# Allegro board pc065a_toplevel_45_8layers.brd (continued)
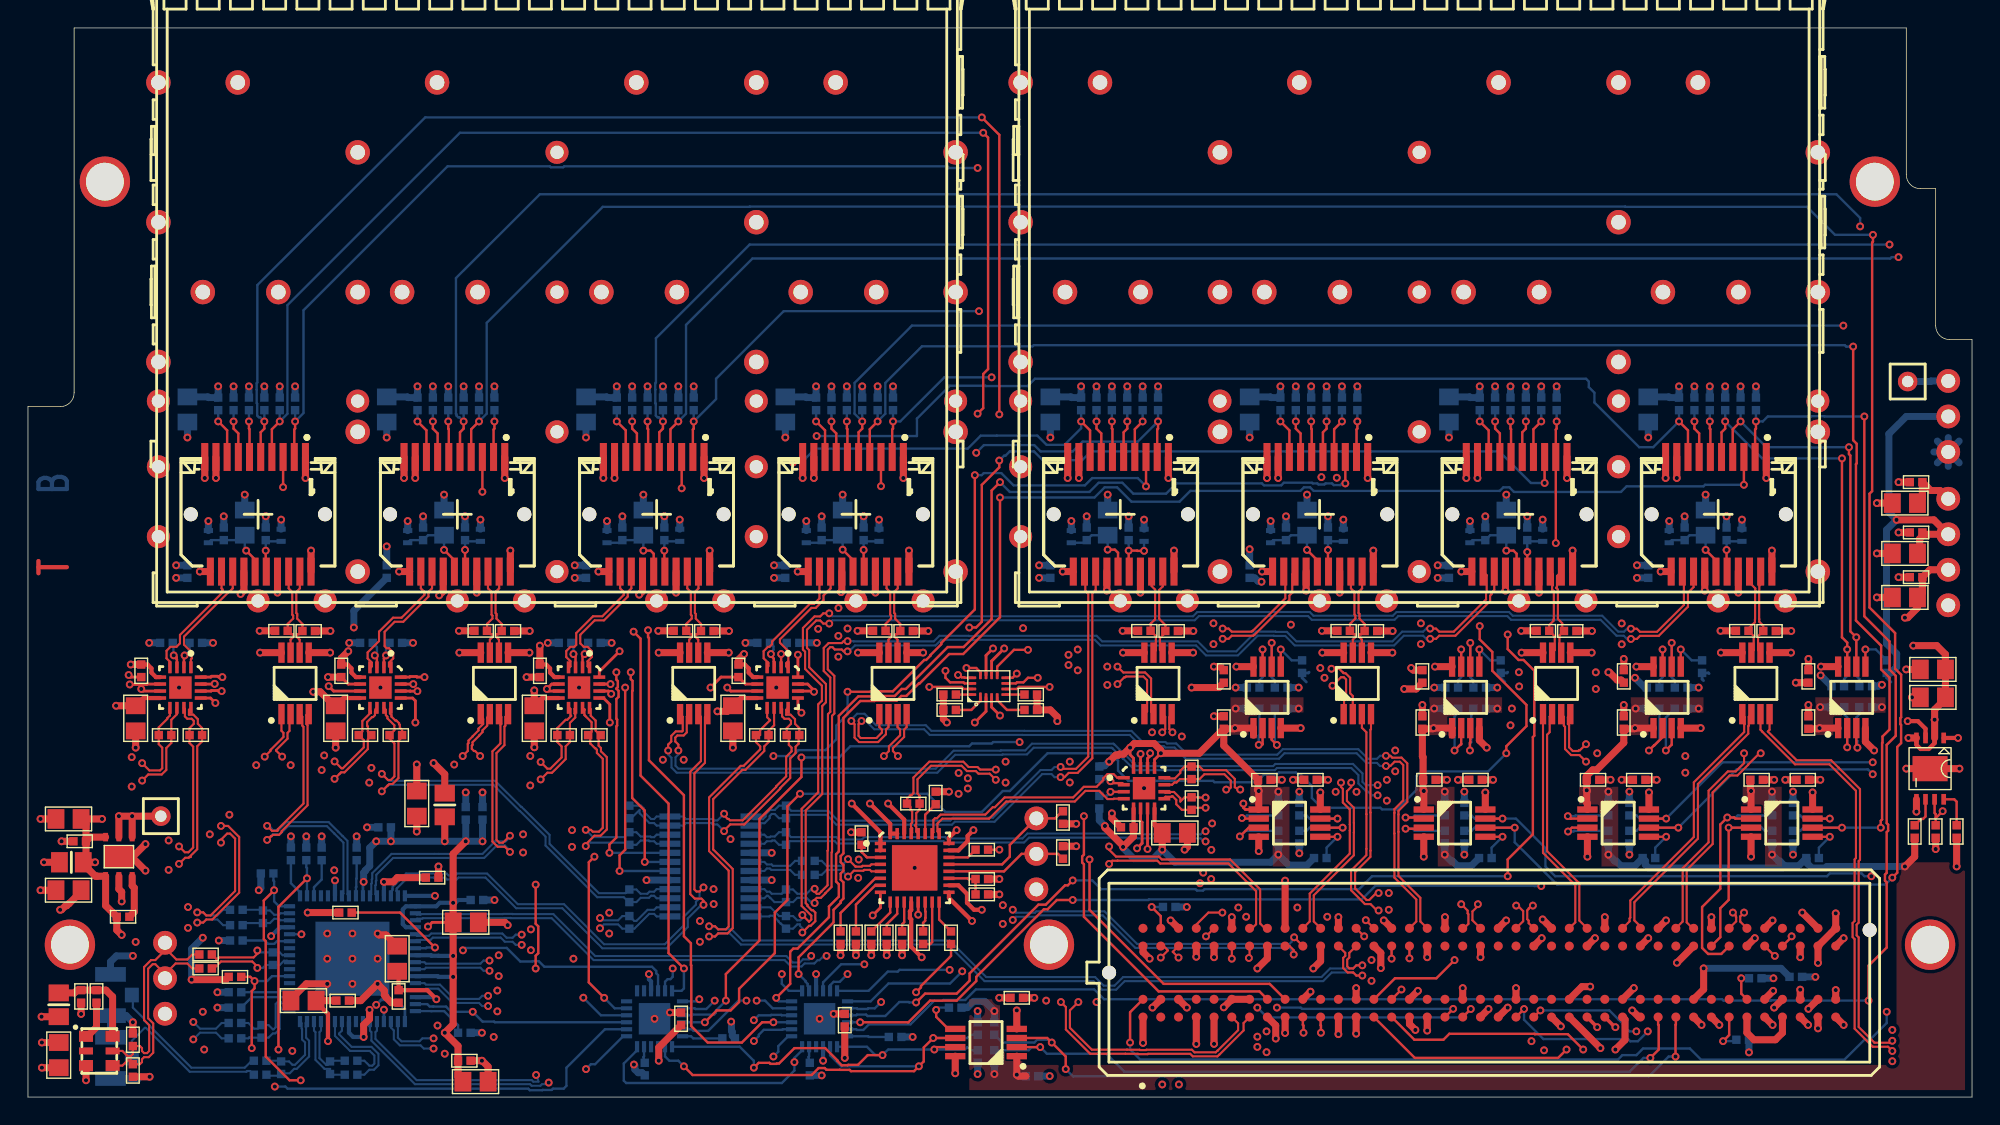
[diagram p0: board, top side]
## Nets (continued)
FMC_LA_P<22>: J10.G24
FMC_LA_P<23>: J10.D23
FMC_LA_P<24>: J10.H28 U7.1
FMC_LA_P<25>: J10.G27
FMC_LA_P<26>: J10.D26
FMC_LA_P<27>: IC21.6 J10.C26
FMC_LA_P<28>: IC5.10 J10.H31 R65.2(B<0>)
FMC_LA_P<29>: J10.G30
FMC_LA_P<30>: IC6.10 J10.H34 R69.2(B<0>)
FMC_LA_P<31>: IC16.3 J10.G33 R151.1
FMC_LA_P<32>: J10.H37
FMC_LA_P<33>: IC20.3 J10.G36 R171.1
GBTCLK0_M2C_N: J10.D5
GBTCLK0_M2C_P: J10.D4
I2C_SCL: IC3.16 IC9.20 IC10.19 IC11.7 IC23.19 J1.2 R7.2(B<0>) R94.1 R135.1
I2C_SCL_CVCC: IC11.2 J10.C30 R132.1
I2C_SDA: IC3.18 IC9.21 IC10.20(SDA) IC11.6 IC23.20(SDA) J1.3(A<2>) R8.2(B<0>) R93.1 R134.1
I2C_SDA_CVCC: IC11.3 J10.C31 R131.1
MOD_ABS: J7.6 R26.1
MOD_ABS_1: J12.6 R38.1
MOD_ABS_2: J16.6 R46.1
MOD_ABS_3: J20.6 R54.1
MOD_ABS_4: J24.6 R103.1
MOD_ABS_5: J28.6 R111.1
MOD_ABS_6: J32.6 R119.1
MOD_ABS_7: J36.6 R127.1
MUX_OUT_N: C55.1 IC8.19
MUX_OUT_P: C56.1 IC8.18
MUX_SEL<0>: IC8.6 IC21.15(1B<0>)
MUX_SEL<1>: IC8.7 IC21.14
MUX_SEL<2>: IC8.8 IC21.13
OSC_N: C30.2(B<0>) J5.3(A<2>) QZ1.5 R4.2(B<0>)
OSC_P: C29.2(B<0>) J5.2 QZ1.4(OUTP) R5.2(B<0>)
POWER_GOOD: J10.D1 R182.2(B<0>) U11.7
PRSNT_L: J10.H2 R30.2(B<0>)
RD_BUF_N<0>: IC4.4 J7.12
RD_BUF_N<1>: IC5.4 J12.12
RD_BUF_N<2>: IC6.4 J16.12
RD_BUF_N<3>: IC7.4 J20.12
RD_BUF_P<0>: IC4.1 J7.13
RD_BUF_P<1>: IC5.1 J12.13
RD_BUF_P<2>: IC6.1 J16.13
RD_BUF_P<3>: IC7.1 J20.13
RD_MUX_N<0>: IC4.11 IC8.2 R60.1 R74.2(B<0>)
RD_MUX_N<1>: IC5.11 IC8.4 R64.1 R75.2(B<0>)
RD_MUX_N<2>: IC6.11 IC8.10 R68.1 R76.2(B<0>)
RD_MUX_N<3>: IC7.11 IC8.12 R72.1 R77.2(B<0>)
RD_MUX_N<4>: IC8.13 J36.12 R78.2(B<0>)
RD_MUX_N<5>: IC8.15 J32.12 R79.2(B<0>)
RD_MUX_N<6>: IC8.21 J28.12 R80.2(B<0>)
RD_MUX_N<7>: IC8.23 J24.12 R81.2(B<0>)
RD_MUX_P<0>: IC4.12 IC8.1(PCLK<0>) R60.2(B<0>) R74.1
RD_MUX_P<1>: IC5.12 IC8.3 R64.2(B<0>) R75.1
RD_MUX_P<2>: IC6.12 IC8.9 R68.2(B<0>) R76.1
RD_MUX_P<3>: IC7.12 IC8.11 R72.2(B<0>) R77.1
RD_MUX_P<4>: IC8.14 J36.13 R78.1
RD_MUX_P<5>: IC8.16 J32.13 R79.1
RD_MUX_P<6>: IC8.22 J28.13 R80.1
RD_MUX_P<7>: IC8.24 J24.13 R81.1
REC_CLK_FPGA_N: IC13.11 J10.H5 R97.1
REC_CLK_FPGA_P: IC13.12 J10.H4 R97.2(B<0>)
RST_I2C_B: IC10.24 IC21.12 IC23.24
RST_I2C_B_CVCC: IC21.9 J10.D9
SFP_FAULT<0>: IC10.10 J7.2 R24.2(B<0>)
SFP_FAULT<1>: IC10.11 J12.2 R36.2(B<0>)
SFP_FAULT<2>: IC10.12 J16.2 R44.2(B<0>)
SFP_FAULT<3>: IC10.13 J20.2 R52.2(B<0>)
SFP_FAULT<4>: IC10.14 J36.2 R125.2(B<0>)
SFP_FAULT<5>: IC10.15 J32.2 R117.2(B<0>)
SFP_FAULT<6>: IC10.16 J28.2 R109.2(B<0>)
SFP_FAULT<7>: IC10.17 J24.2 R101.2(B<0>)
SFP_I2C_SCL<0>: IC12.7 J7.5 R27.1 R140.1
SFP_I2C_SCL<1>: IC14.7 J12.5 R39.1 R145.1
SFP_I2C_SCL<2>: IC15.7 J16.5 R47.1 R150.1
SFP_I2C_SCL<3>: IC16.7 J20.5 R55.1 R155.1
SFP_I2C_SCL<4>: IC17.7 J36.5 R128.1 R160.1
SFP_I2C_SCL<5>: IC18.7 J32.5 R120.1 R165.1
SFP_I2C_SCL<6>: IC19.7 J28.5 R112.1 R170.1
SFP_I2C_SCL<7>: IC20.7 J24.5 R104.1 R175.1
SFP_I2C_SDA<0>: IC12.6 J7.4 R28.1 R139.1
SFP_I2C_SDA<1>: IC14.6 J12.4 R40.1 R144.1
SFP_I2C_SDA<2>: IC15.6 J16.4 R48.1 R149.1
SFP_I2C_SDA<3>: IC16.6 J20.4 R56.1 R154.1
SFP_I2C_SDA<4>: IC17.6 J36.4 R129.1 R159.1
SFP_I2C_SDA<5>: IC18.6 J32.4 R121.1 R164.1
SFP_I2C_SDA<6>: IC19.6 J28.4 R113.1 R169.1
SFP_I2C_SDA<7>: IC20.6 J24.4 R105.1 R174.1
SFP_LOS<0>: IC23.10 J7.8 R25.2(B<0>)
SFP_LOS<1>: IC23.11 J12.8 R37.2(B<0>)
SFP_LOS<2>: IC23.12 J16.8 R45.2(B<0>)
SFP_LOS<3>: IC23.13 J20.8 R53.2(B<0>)
SFP_LOS<4>: IC23.14 J36.8 R126.2(B<0>)
SFP_LOS<5>: IC23.15 J32.8 R118.2(B<0>)
SFP_LOS<6>: IC23.16 J28.8 R110.2(B<0>)
SFP_LOS<7>: IC23.17 J24.8 R102.2(B<0>)
SFP_TD_N: J7.19 R23.1 U3.6
SFP_TD_N_1: J12.19 R35.1 U4.6
SFP_TD_N_2: J16.19 R43.1 U5.6
SFP_TD_N_3: J20.19 R51.1 U6.6
SFP_TD_N_4: J24.19 R100.1 U7.6
SFP_TD_N_5: J28.19 R108.1 U8.6
SFP_TD_N_6: J32.19 R116.1 U9.6
SFP_TD_N_7: J36.19 R124.1 U10.6
SFP_TD_P: J7.18 R22.1 U3.7(Q_P)
SFP_TD_P_1: J12.18 R34.1 U4.7(Q_P)
SFP_TD_P_2: J16.18 R42.1 U5.7(Q_P)
SFP_TD_P_3: J20.18 R50.1 U6.7(Q_P)
SFP_TD_P_4: J24.18 R99.1 U7.7(Q_P)
SFP_TD_P_5: J28.18 R107.1 U8.7(Q_P)
SFP_TD_P_6: J32.18 R115.1 U9.7(Q_P)
SFP_TD_P_7: J36.18 R123.1 U10.7(Q_P)
SFP_TX_DISABLE<0>: IC10.1 J7.3
SFP_TX_DISABLE<1>: IC10.2 J12.3
SFP_TX_DISABLE<2>: IC10.3 J16.3
SFP_TX_DISABLE<3>: IC10.4 J20.3
SFP_TX_DISABLE<4>: IC10.5 J36.3
SFP_TX_DISABLE<5>: IC10.6 J32.3
SFP_TX_DISABLE<6>: IC10.7 J28.3
SFP_TX_DISABLE<7>: IC10.8 J24.3
TCK: J10.D29
TDI: J10.D30
TDO: J10.D31
TMS: J10.D33
TRST_L: J10.D34
UNNAMED_1_CAPCERSMDCL2_I31_B: C34.2(B<0>) C35.2(B<0>) J7.15 L5.1
UNNAMED_1_CAPCERSMDCL2_I31_B_1: C43.2(B<0>) C44.2(B<0>) J12.15 L7.1
UNNAMED_1_CAPCERSMDCL2_I31_B_2: C48.2(B<0>) C49.2(B<0>) J16.15 L9.1
UNNAMED_1_CAPCERSMDCL2_I31_B_3: C53.2(B<0>) C54.2(B<0>) J20.15 L11.1
UNNAMED_1_CAPCERSMDCL2_I31_B_4: C62.2(B<0>) C63.2(B<0>) J24.15 L13.1
UNNAMED_1_CAPCERSMDCL2_I31_B_5: C67.2(B<0>) C68.2(B<0>) J28.15 L15.1
UNNAMED_1_CAPCERSMDCL2_I31_B_6: C72.2(B<0>) C73.2(B<0>) J32.15 L17.1
UNNAMED_1_CAPCERSMDCL2_I31_B_7: C77.2(B<0>) C78.2(B<0>) J36.15 L19.1
UNNAMED_1_CAPCERSMDCL2_I35_B: C33.2(B<0>) J7.16 L4.2(B<0>)
UNNAMED_1_CAPCERSMDCL2_I35_B_1: C42.2(B<0>) J12.16 L6.2(B<0>)
UNNAMED_1_CAPCERSMDCL2_I35_B_2: C47.2(B<0>) J16.16 L8.2(B<0>)
UNNAMED_1_CAPCERSMDCL2_I35_B_3: C52.2(B<0>) J20.16 L10.2(B<0>)
UNNAMED_1_CAPCERSMDCL2_I35_B_4: C61.2(B<0>) J24.16 L12.2(B<0>)
UNNAMED_1_CAPCERSMDCL2_I35_B_5: C66.2(B<0>) J28.16 L14.2(B<0>)
UNNAMED_1_CAPCERSMDCL2_I35_B_6: C71.2(B<0>) J32.16 L16.2(B<0>)
UNNAMED_1_CAPCERSMDCL2_I35_B_7: C76.2(B<0>) J36.16 L18.2(B<0>)
UNNAMED_1_CON20PSFP_I19_RATES_1: J12.7 R41.1
UNNAMED_1_CON20PSFP_I19_RATES_2: J16.7 R49.1
UNNAMED_1_CON20PSFP_I19_RATES_3: J20.7 R57.1
UNNAMED_1_CON20PSFP_I19_RATES_4: J24.7 R106.1
UNNAMED_1_CON20PSFP_I19_RATES_5: J28.7 R114.1
UNNAMED_1_CON20PSFP_I19_RATES_6: J32.7 R122.1
UNNAMED_1_CON20PSFP_I19_RATES_7: J36.7 R130.1
UNNAMED_1_CON20PSFP_I19_RATESEL: J7.7 R29.1
UNNAMED_1_RSMD0402_I7_B: IC11.5 R133.2(B<0>)
UNNAMED_1_RSMD0402_I7_B_1: IC12.5 R138.2(B<0>)
UNNAMED_1_RSMD0402_I7_B_2: IC14.5 R143.2(B<0>)
UNNAMED_1_RSMD0402_I7_B_3: IC15.5 R148.2(B<0>)
UNNAMED_1_RSMD0402_I7_B_4: IC16.5 R153.2(B<0>)
UNNAMED_1_RSMD0402_I7_B_5: IC17.5 R158.2(B<0>)
UNNAMED_1_RSMD0402_I7_B_6: IC18.5 R163.2(B<0>)
UNNAMED_1_RSMD0402_I7_B_7: IC19.5 R168.2(B<0>)
UNNAMED_1_RSMD0402_I7_B_8: IC20.5 R173.2(B<0>)
UNNAMED_1_RSMD0402_I10_B: IC4.3 R59.2(B<0>)
UNNAMED_1_RSMD0402_I10_B_1: IC5.3 R63.2(B<0>)
UNNAMED_1_RSMD0402_I10_B_2: IC6.3 R67.2(B<0>)
UNNAMED_1_RSMD0402_I10_B_3: IC7.3 R71.2(B<0>)
UNNAMED_1_RSMD0402_I10_B_4: IC13.3 R96.2(B<0>)
UNNAMED_1_RSMD0402_I11_B: IC4.2(VT) R58.2(B<0>)
UNNAMED_1_RSMD0402_I11_B_1: IC5.2(VT) R62.2(B<0>)
UNNAMED_1_RSMD0402_I11_B_2: IC6.2(VT) R66.2(B<0>)
UNNAMED_1_RSMD0402_I11_B_3: IC7.2(VT) R70.2(B<0>)
UNNAMED_1_RSMD0402_I11_B_4: IC13.2(VT) R95.2(B<0>)
UNNAMED_4_FMCLPCGENERIC_I1_GA0: J10.C34 R184.2(B<0>)
UNNAMED_4_FMCLPCGENERIC_I1_GA1: J10.D35 R185.2(B<0>)
UNNAMED_7_CAPCERSMDCL2_I28_B: C101.2(B<0>) U11.8
UNNAMED_7_CON3P_I14_A: J39.1 TP10.1(A<0>)
UNNAMED_7_MP20075REG_I17_REF: R183.2(B<0>) U11.6
UNNAMED_8_DSC1123CI5_I74_EN: QZ1.1 R3.2(B<0>)
UNNAMED_8_LP38692SD_I104_EN: R2.2(B<0>) U2.3
UNNAMED_8_RSMD0402_I25_B: IC3.3 R20.2(B<0>)
UNNAMED_8_RSMD0402_I26_B: IC3.4 R21.2(B<0>)
UNNAMED_8_RSMD0402_I28_B: IC3.48 R18.2(B<0>)
UNNAMED_8_RSMD0402_I29_B: IC3.25 R19.2(B<0>)
UNNAMED_8_RSMD0402_I30_B: IC3.39 R6.2(B<0>)
UNNAMED_8_RSMD0402_I66_B: IC3.11 R10.2(B<0>)
UNNAMED_8_RSMD0402_I67_B: IC3.17 R11.2(B<0>)
UNNAMED_8_RSMD0402_I68_B: IC3.19 R12.2(B<0>)
UNNAMED_10_ADN2814_I34_CF1: C58.1 IC9.15
UNNAMED_10_ADN2814_I34_CF2: C58.2(B<0>) IC9.14
UNNAMED_10_ADN2814_I34_LOL: IC9.16 R91.1
UNNAMED_10_ADN2814_I34_LOS: IC9.22 R89.2(B<0>)
UNNAMED_10_ADN2814_I34_REFCLKN: IC9.11 R85.2(B<0>)
UNNAMED_10_ADN2814_I34_REFCLKP: IC9.10 R84.2(B<0>)
UNNAMED_10_ADN2814_I34_SADDRS: IC9.19 R82.2(B<0>) R83.2(B<0>)
UNNAMED_10_ADN2814_I34_SLICEN: IC9.7 R87.2(B<0>)
UNNAMED_10_ADN2814_I34_SLICEP: IC9.6 R86.2(B<0>)
UNNAMED_10_ADN2814_I34_SQUELCH: IC9.27 R90.1
UNNAMED_10_ADN2814_I34_THRADJ: IC9.9 R88.2(B<0>)
UNNAMED_10_ADN2814_I34_VREF: C57.1 IC9.3(VREF)
UNNAMED_13_74AVC4T245BRIS_I75_1: IC21.4 R176.1
UNNAMED_13_74AVC4T245BRIS_I75_2: IC21.1 R177.2(B<0>)
UNNAMED_13_74AVC4T245BRIS_I76_1: IC21.16 R179.2(B<0>)
UNNAMED_13_74AVC4T245BRIS_I76_2: IC21.5 R178.1
UNNAMED_13_RSMD0402_I6_B: IC10.18 R31.2(B<0>)
UNNAMED_13_RSMD0402_I8_B: IC10.23 R32.2(B<0>)
UNNAMED_13_RSMD0402_I45_B: IC23.18 R180.2(B<0>)
UNNAMED_13_RSMD0402_I46_B: IC23.23 R181.2(B<0>)
VADJ: J10.G39 J10.H40 J39.3(A<2>)
VREF_A_M2C: J10.H1
XA: C29.1 IC3.8 R17.1
XB: C30.1 IC3.9(XB) R17.2(B<0>)

Pads without a net: IC3 5 7 10 20 21 55 56; IC10 22; IC23 6 7 8 22; NOREF 1; NOREF#2 1; NOREF#3 1; NOREF#4 1; NOREF#5 1; QZ1 2; SFP1 NC; SFP2 NC

## Via types
v1: diameter 0.56, hole 0.3, TOP to BOTTOM, 1071 vias

## Routing (per net, layer and track width the routed paths; a pad name or vN(x,y) marks a point on that pad's centre or on a via; arc(x,y) is an arc through that point)
GND: length 1977.9
  TOP w0.2: v1(27.84,29.04) 27.34,29.04 27.33,29.05 IC5.14 ; IC4.14 13.09,29.05 13.13,29.09 13.57,29.09 13.61,29.05 v1(13.85,29.05) ; v1(7.28,29.52) 8.49,29.52 8.52,29.55 IC4.6 ; v1(60.4,13) 60.95,13.55 IC9.8 ; IC4.15 13.33,29.55 ; IC4.7 8.25,29.05 v1(8.1,29.2) ; IC21.10 68.9,31.2 v1(69.8,32.1) ; v1(21.5,29.4) 21.85,29.05 IC5.7 ; IC7.15 55.75,29.55 56.2,29.1 v1(56.2,29) 56.15,29.05 IC7.14 ; C104.1 22.9,29.55 IC5.6 ; v1(80.23,24.61) 80.17,24.54 80.17,24.35 80.05,24.23 IC13.14 ; C102.1 7.35,30.05 v1(7.2,30.2) ; IC13.15 v1(79.55,24.55) ; v1(69,32.1) 68.5,31.6 IC21.11 ; IC5.15 v1(27.55,29.55) ; IC7.6 51.3,29.55 C108.1 49.55,30.05 v1(48.8,29.3) ; IC13.6 79.55,19.77 79.66,19.66 79.66,18.16 v1(79.3,17.8) ; IC7.7 50.25,29.05 v1(50,29.3) ; IC6.7 37.25,29.05 v1(37.1,29.2) 37.45,29.55 IC6.6 ; IC9.13 v1(63.65,13.05) ; IC6.15 v1(41.65,29.55) ; v1(41.7,28.85) 41.5,29.05 IC6.14 ; IC13.7 v1(80.05,17.75)
  TOP w0.3: IC9.17 65.85,14.25 v1(67.5,12.6) ; IC9.23 66.53,17.65 67.19,18.31 67.19,18.69 v1(67.6,19.1) ; IC9.30 62.65,19.85 v1(61.5,21) ; U11.3 135.68,26.35 135.13,26.9 v1(134.4,26.9)
  TOP w0.5: C95.1 v1(127.3,28.05) ; 116.56,12.08 v1(117.12,12.64) ; J24.10 v1(117.09,44.3) ; J10.C40 v1(129.82,5.16) ; J12.14 29.69,36.19 v1(29.4,35.9) ; 103.86,10.8 v1(103.86,10.01) ; C100.1 v1(134.29,30.6) ; 98.78,7 v1(99.38,7.6) ; C3.1 v1(27.8,19) ; J16.9 v1(41.94,44.3) ; C98.1 v1(45.9,6.05) ; 13.33,29.55 v1(13.35,29.57) ; J16.11 v1(40.79,37.6) ; 96.23,10.8 96.73,10.31 v1(96.73,9.23) ; 100.05,10.8 v1(100.05,10.01) ; R4.1 v1(7.5,5.35) ; IC15.4 v1(111.5,17.2) ; v1(34.3,12.3) 34.1,12.5 C12.1 ; v1(98.9,30.7) 99.05,30.55 C92.1 ; C6.1 v1(1,2.1) ; J10.C25 v1(112.43,3.5) ; J7.9 v1(13.44,44.3) ; J16.10 v1(41.14,44.3) ; R85.1 v1(62.5,10.15) ; C36.1 v1(133.75,37.2) ; J32.14 v1(91.39,36.24) ; C96.1 v1(127.3,31.35) ; 105.12,12.08 v1(105.69,12.64) ; C39.1 v1(132.2,38.9) ; 127.98,7 v1(127.3,6.31) ; J28.1 v1(110.04,44.3) ; J10.C28 114.19,5.55 114.19,4.09 v1(113.5,3.4) ; C87.1 v1(124.85,22.7) ; J24.17 v1(122.29,36.1) ; v1(84.79,30.8) 85.25,30.8 C90.1 ; C7.1 v1(29.35,16.5) ; U7.5 v1(126.05,31.8) ; J24.9 v1(117.89,44.3) ; J20.20 v1(62.99,39.1) ; 110.28,31.8 v1(111.8,31.8) ; C17.1 32.9,2.18 32.48,2.6 v1(32.45,2.6) C15.1 ; 103.86,5.73 v1(104.43,6.3) ; R88.1 v1(60.3,10.15) ; v1(21.4,8.1) 19.9,8.1 18.8,7 C19.1 ; J12.17 v1(32.09,36.1) ; J36.1 v1(81.54,44.3) ; J10.H18 v1(101.31,12.88) ; U5.5 v1(50.1,31.8) ; v1(43.7,35.95) 43.94,36.19 J16.14 ; IC16.4 v1(123.2,17.2) ; 112.75,12.08 v1(112.75,12.88) ; C84.1 v1(104.75,22.7) ; 81.78,31.8 v1(83.3,31.8) ; J10.C36 v1(124.74,5.16) ; C89.1 v1(84.79,27.25) ; C80.1 v1(71.95,7.1) ; v1(2.3,13.4) 2.4,13.4 2.69,13.69 2.77,13.69 2.91,13.83 2.93,13.83 3.8,14.7 C4.1 ; J10.C33 v1(120.93,5.16) ; C94.1 v1(114.1,31.35) ; C85.1 v1(113.15,22.7) ; J10.C29 115.17,5.73 v1(114.7,6.2) ; J10.G23 v1(108.23,11.37) ; C97.1 v1(57.6,5.95) ; v1(80.2,9.9) 79.72,10.38 79.72,10.8 ; 89.58,26.4 v1(91,26.4) ; J32.1 v1(95.79,44.3) ; R87.1 v1(59.2,10.15) ; J10.G38 v1(126.72,10.01) ; C101.1 v1(137.9,16.5) ; v1(6.7,14) 6.7,14.68 6.5,14.88 U2.2 ; 100.05,5.73 v1(100.05,4.76) ; C88.1 v1(128.15,22.7) ; C106.1 v1(35.65,30.05) ; J32.17 v1(93.79,36.1) ; J20.17 v1(60.59,36.1) ; C83.1 v1(101.45,22.7) ; J10.G40 v1(129.82,11.37) ; v1(36.21,25.03) 36.2,25.03 C107.1 ; J12.9 v1(27.69,44.3) ; C86.1 v1(116.45,22.7) ; C5.1 v1(2.4,18.3) ; 34.33,31.8 v1(35.85,31.8) ; J10.C38 v1(127.28,5.16) ; J32.11 v1(88.24,37.6) ; J10.D7 86.08,7 v1(85.5,6.42) ; J10.G29 v1(115.85,11.37) ; IC19.4 v1(119.6,26.4) ; v1(132,24.8) 131.38,25.43 IC20.4 ; v1(25,11.7) 25.1,11.6 25.6,11.6 C16.1 ; 106.39,7 v1(106.39,7.79) ; v1(89.22,4.18) 89.22,5.12 88.61,5.73 ; C82.1 v1(92.95,22.7) ; C109.1 v1(50.4,25) ; IC7.17 v1(53.5,29.3) ; J20.14 58.19,36.18 v1(58.14,36.13) ; J7.14 15.44,36.24 v1(15.2,36) ; U3.5 v1(21.6,31.8) ; 98.78,5.73 98.78,5.23 v1(99.2,4.8) ; J28.10 v1(102.84,44.3) ; J10.C21 v1(105.8,6.4) ; J24.20 v1(124.69,39.1) ; IC4.17 v1(10.8,29.3) ; J12.10 v1(26.89,44.3) ; v1(87.9,9.2) 88.61,9.92 88.61,10.8 ; J12.11 v1(26.54,37.6) ; 120.36,12.08 v1(120.36,12.88) ; v1(104.3,25) 103.78,25.52 103.78,26.4 ; J7.1 v1(19.84,44.3) ; 94.97,5.73 v1(94.97,4.54) ; J7.20 v1(20.24,39.1) ; J36.20 v1(81.94,39.1) ; 125.44,7 v1(124.85,6.4) ; J24.1 v1(124.29,44.3) ; J24.11 v1(116.74,37.6) ; QZ1.3 v1(4.15,1.2) ; v1(82.7,17.7) 82.9,17.9 C111.1 ; 127.98,12.08 v1(126.86,13.2) ; J36.10 v1(74.34,44.3) ; J20.9 v1(56.19,44.3) ; J7.17 v1(17.84,36.1) ; C38.1 v1(133.75,40.4) ; 114.02,7 v1(114.82,7.8) ; J10.C24 v1(109.6,5.06) ; R179.1 R177.1 65.45,27.05 v1(65.7,26.8) ; 108.94,12.08 v1(108.3,12.71) ; 81,7 v1(80.4,6.4) ; J32.10 v1(88.59,44.3) ; J20.10 v1(55.39,44.3) ; 84.81,10.8 v1(84.81,10.01) ; J10.H3 v1(81.7,12.64) ; v1(138.1,23.5) U11.9 v1(134.3,23.5) ; 92.42,10.8 92.42,9.72 v1(91.9,9.2) ; J10.H12 v1(93.69,12.88) ; 79.72,5.73 v1(79.72,3.88) ; C104.1 v1(21.45,30.05) ; C1.1 v1(133.75,44) ; 83.53,10.8 v1(83.53,10.04) ; J36.11 v1(73.99,37.6) ; J10.D3 v1(82.86,6.4) ; J24.14 v1(119.89,36.24) ; J10.G32 v1(117.9,9.61) ; J12.1 v1(34.09,44.3) ; U6.5 v1(64,31.8) ; C99.1 v1(134.7,28.6) ; J10.D13 v1(94.97,7.79) ; J36.9 v1(75.14,44.3) ; 7.5,17.2 U2.7 ; 7.5,17.2 v1(8.4,18.1) ; 7.5,17.2 7.5,17.1 v1(8.4,16.2) ; J28.9 v1(103.64,44.3) ; R90.2 v1(65.85,21.85) ; J32.20 v1(96.19,39.1) ; J28.20 v1(110.44,39.1) ; 84.81,5.73 v1(84.81,3.81) ; J20.1 v1(62.59,44.3) ; C81.1 v1(89.65,22.7) ; 86.08,12.08 v1(86.08,12.88) ; 110.2,7 111.11,7.9 v1(111.7,7.9) ; C105.1 v1(22,25) ; J7.10 v1(12.64,44.3) ; R83.1 v1(69.45,14.5) ; J16.17 v1(46.34,36.1) ; 93.69,5.73 v1(93.69,4.5) ; C110.1 77.5,19.95 v1(77.5,20.3) ; J10.G35 v1(123.47,11.37) ; J10.D10 v1(91.7,7.54) ; C93.1 v1(114.1,28.05) ; C91.1 v1(99.7,28.05) ; U9.5 v1(97.55,31.8) ; R86.1 v1(58.1,10.15) ; C57.2 v1(58.85,18.95) ; 124.17,12.08 v1(124.74,12.64) ; IC12.4 v1(88,17.6) ; IC14.4 v1(99.8,17.2) ; C10.1 v1(3.8,5.95) ; J10.H9 v1(89.89,15.48) ; J32.9 v1(89.39,44.3) ; J10.C32 v1(119.66,5.16) ; J12.20 v1(34.49,39.1) ; C2.1 v1(132.2,42.5) ; J20.11 v1(55.04,37.6) ; C18.1 25.98,6.75 25.59,7.14 25.59,7.19 25.48,7.29 25.48,7.62 v1(25,8.1) 23.8,6.9 C20.1 ; J16.1 v1(48.34,44.3) ; C37.1 v1(132.2,35.75) ; J10.H15 v1(96.94,12.64) ; R5.1 v1(8.7,1.45) ; v1(105.64,36.24) J28.14 ; J10.G26 v1(112.04,11.37) ; 83.53,5.73 v1(83.53,3.8) ; C8.1 v1(0.9,19.9) ; J28.11 v1(102.49,37.6) ; J36.14 v1(77.14,36.24) ; J28.17 v1(108.04,36.1) ; J7.11 v1(12.29,37.6) ; J10.D19 v1(102.58,7.79) ; 89.89,5.73 v1(89.89,4.58) ; J16.20 v1(48.74,39.1) ; C103.1 v1(7.7,25) ; IC11.4 v1(70.7,6.2) ; J36.17 v1(79.54,36.1)
  L2_GND w0.5: SFP1.26 52.84,50.56 ; SFP1.26 51.07,49.8 ; SFP1.26 52.08,50.8 ; SFP1.26 51.31,49.04 ; SFP1.26 53.08,49.8 ; SFP1.26 52.08,48.8 ; SFP1.26 52.84,49.04 ; SFP1.26 51.31,50.56 ; 112.72,49.8 SFP2.26 ; SFP2.26 114.48,49.04 ; SFP2.26 112.97,50.56 ; SFP2.26 114.73,49.8 ; SFP2.26 114.48,50.56 ; SFP2.26 112.97,49.04 ; SFP2.26 113.72,48.8 ; SFP2.26 113.72,50.8 ; J5.1 10.58,5.18 ; J5.1 9.02,6.74 ; J5.1 10.58,6.74 ; J5.1 9.8,4.93 ; J5.1 10.83,5.96 ; J5.1 9.02,5.18 ; J5.1 9.8,6.99 ; J5.1 8.77,5.96 ; 66.33,36.55 SFP1.46 ; SFP1.46 66.33,38.65 ; SFP1.46 65.27,37.6 ; SFP1.46 67.38,37.6 ; SFP1.46 67.12,38.4 ; SFP1.46 67.12,36.8 ; SFP1.46 65.53,36.8 ; SFP1.46 65.53,38.4 ; 9.32,48.8 9.32,49.8 ; 9.32,49.8 10.09,49.04 ; 9.32,49.8 10.09,50.56 ; 9.32,49.8 8.57,49.04 ; 9.32,49.8 8.57,50.56 ; 9.32,49.8 10.33,49.8 ; 9.32,49.8 8.32,49.8 ; 9.32,49.8 9.32,50.8 ; SFP1.13 17.9,58.65 ; SFP1.13 16.85,57.6 ; SFP1.13 18.95,57.6 ; SFP1.13 17.1,58.4 ; SFP1.13 17.1,56.8 ; SFP1.13 18.7,58.4 ; SFP1.13 18.7,56.8 ; SFP1.13 17.9,56.55 ; 60.65,56.55 SFP1.21 ; SFP1.21 59.6,57.6 ; SFP1.21 61.45,58.4 ; SFP1.21 61.7,57.6 ; SFP1.21 60.65,58.65 ; SFP1.21 59.85,56.8 ; SFP1.21 61.45,56.8 ; SFP1.21 59.85,58.4 ; 48.75,35.5 SFP1.43 ; SFP1.43 50.75,35.5 ; SFP1.43 50.51,36.26 ; SFP1.43 50.51,34.74 ; SFP1.43 48.99,36.26 ; SFP1.43 48.99,34.74 ; SFP1.43 49.75,34.5 ; SFP1.43 49.75,36.5 ; 65.27,67.6 SFP1.9 ; SFP1.9 67.12,66.8 ; SFP1.9 67.38,67.6 ; SFP1.9 66.33,66.55 ; SFP1.9 65.53,68.4 ; SFP1.9 66.33,68.65 ; SFP1.9 65.53,66.8 ; SFP1.9 67.12,68.4 ; 11.7,56.8 SFP1.12 ; SFP1.12 12.5,58.65 ; SFP1.12 12.5,56.55 ; SFP1.12 13.55,57.6 ; SFP1.12 11.7,58.4 ; SFP1.12 13.3,58.4 ; SFP1.12 11.45,57.6 ; SFP1.12 13.3,56.8 ; SFP2.20 117.7,58.4 ; SFP2.20 117.95,57.6 ; SFP2.20 116.1,58.4 ; SFP2.20 116.9,58.65 ; SFP2.20 115.85,57.6 ; SFP2.20 116.9,56.55 ; SFP2.20 116.1,56.8 ; SFP2.20 117.7,56.8 ; SFP1.38 23.57,38.65 ; SFP1.38 22.52,37.6 ; SFP1.38 24.37,38.4 ; SFP1.38 24.63,37.6 ; SFP1.38 23.57,36.55 ; SFP1.38 22.78,38.4 ; SFP1.38 24.37,36.8 ; SFP1.38 22.78,36.8 ; 43.5,71.55 SFP1.4 ; SFP1.4 43.5,73.65 ; SFP1.4 42.7,73.4 ; SFP1.4 42.45,72.6 ; SFP1.4 44.3,71.8 ; SFP1.4 44.55,72.6 ; SFP1.4 42.7,71.8 ; SFP1.4 44.3,73.4 ; SFP2.33 129.03,47.6 ; SFP2.33 127.18,46.8 ; SFP2.33 127.97,48.65 ; SFP2.33 127.18,48.4 ; SFP2.33 126.92,47.6 ; SFP2.33 128.77,48.4 ; SFP2.33 127.97,46.55 ; SFP2.33 128.77,46.8 ; SFP2.12 74.95,56.8 ; SFP2.12 74.15,58.65 ; SFP2.12 73.1,57.6 ; SFP2.12 74.95,58.4 ; SFP2.12 73.35,58.4 ; SFP2.12 73.35,56.8 ; SFP2.12 74.15,56.55 ; SFP2.12 75.2,57.6 ; 36.82,47.6 SFP1.31 ; SFP1.31 37.83,46.6 ; SFP1.31 38.59,46.84 ; SFP1.31 37.06,48.36 ; SFP1.31 37.06,46.84 ; SFP1.31 38.59,48.36 ; SFP1.31 38.83,47.6 ; SFP1.31 37.83,48.6 ; SFP2.30 86.02,48.4 ; SFP2.30 84.43,48.4 ; SFP2.30 85.22,48.65 ; SFP2.30 84.17,47.6 ; SFP2.30 86.28,47.6 ; SFP2.30 85.22,46.55 ; SFP2.30 84.43,46.8 ; SFP2.30 86.02,46.8 ; 78.1,34.5 SFP2.36 ; SFP2.36 78.1,36.5 ; SFP2.36 78.86,36.26 ; SFP2.36 78.86,34.74 ; SFP2.36 79.1,35.5 ; SFP2.36 77.34,36.26 ; SFP2.36 77.34,34.74 ; SFP2.36 77.1,35.5 ; SFP1.20 56.05,56.8 ; SFP1.20 54.45,58.4 ; SFP1.20 55.25,58.65 ; SFP1.20 55.25,56.55 ; SFP1.20 54.2,57.6 ; SFP1.20 56.3,57.6 ; SFP1.20 56.05,58.4 ; SFP1.20 54.45,56.8 ; SFP2.6 119.4,73.65 ; SFP2.6 118.35,72.6 ; SFP2.6 120.2,73.4 ; SFP2.6 120.2,71.8 ; SFP2.6 118.6,71.8 ; SFP2.6 118.6,73.4 ; SFP2.6 120.45,72.6 ; SFP2.6 119.4,71.55 ; 113.72,61.55 SFP2.11 ; SFP2.11 112.93,61.8 ; SFP2.11 112.67,62.6 ; SFP2.11 114.52,63.4 ; SFP2.11 114.78,62.6 ; SFP2.11 114.52,61.8 ; SFP2.11 112.93,63.4 ; SFP2.11 113.72,63.65 ; 37.83,56.6 SFP1.17 ; SFP1.17 36.82,57.6 ; SFP1.17 38.59,58.36 ; SFP1.17 37.06,58.36 ; SFP1.17 37.83,58.6 ; SFP1.17 38.83,57.6 ; SFP1.17 38.59,56.84 ; SFP1.17 37.06,56.84 ; 136.27,35.19 J40.1 ; J40.1 138.08,34.41 ; J40.1 137.3,36.22 ; J40.1 136.52,35.97 ; J40.1 136.52,34.41 ; J40.1 138.08,35.97 ; J40.1 137.3,34.16 ; SFP2.31 100.23,48.36 ; SFP2.31 98.72,48.36 ; SFP2.31 99.47,46.6 ; SFP2.31 98.47,47.6 ; SFP2.31 100.48,47.6 ; SFP2.31 99.47,48.6 ; SFP2.31 98.72,46.84 ; SFP2.31 100.23,46.84 ; 22.78,48.4 SFP1.30 ; SFP1.30 23.57,48.65 ; SFP1.30 24.37,46.8 ; SFP1.30 24.37,48.4 ; SFP1.30 22.78,46.8 ; SFP1.30 24.63,47.6 ; SFP1.30 23.57,46.55 ; SFP1.30 22.52,47.6 ; SFP2.29 71.73,45.86 ; SFP2.29 71.98,45.1 ; SFP2.29 69.97,45.1 ; SFP2.29 70.97,44.1 ; SFP2.29 70.22,44.34 ; SFP2.29 71.73,44.34 ; SFP2.29 70.22,45.86 ; SFP2.29 70.97,46.1 ; 124.65,35.5 SFP2.45 ; SFP2.45 125.65,34.5 ; SFP2.45 126.65,35.5 ; SFP2.45 125.65,36.5 ; SFP2.45 126.41,34.74 ; SFP2.45 124.89,36.26 ; SFP2.45 124.89,34.74 ; SFP2.45 126.41,36.26 ; SFP1.42 45.71,36.26 ; SFP1.42 44.19,34.74 ; SFP1.42 45.95,35.5 ; SFP1.42 44.95,36.5 ; SFP1.42 44.19,36.26 ; SFP1.42 45.71,34.74 ; SFP1.42 44.95,34.5 ; SFP1.42 43.95,35.5 ; 105.84,36.26 SFP2.42 ; SFP2.42 107.6,35.5 ; SFP2.42 105.84,34.74 ; SFP2.42 105.6,35.5 ; SFP2.42 106.6,36.5 ; SFP2.42 107.36,36.26 ; SFP2.42 107.36,34.74 ; SFP2.42 106.6,34.5 ; 112.97,39.34 SFP2.35 ; SFP2.35 113.72,39.1 ; SFP2.35 114.48,39.34 ; SFP2.35 113.72,41.1 ; SFP2.35 114.48,40.86 ; SFP2.35 112.97,40.86 ; SFP2.35 112.72,40.1 ; SFP2.35 114.73,40.1 ; SFP2.17 100.48,57.6 ; SFP2.17 100.23,58.36 ; SFP2.17 100.23,56.84 ; SFP2.17 99.47,56.6 ; SFP2.17 98.47,57.6 ; SFP2.17 98.72,58.36 ; SFP2.17 98.72,56.84 ; SFP2.17 99.47,58.6 ; 37.06,66.84 SFP1.8 ; SFP1.8 38.59,66.84 ; SFP1.8 37.83,66.6 ; SFP1.8 38.59,68.36 ; SFP1.8 37.83,68.6 ; SFP1.8 36.82,67.6 ; SFP1.8 37.06,68.36 ; SFP1.8 38.83,67.6 ; SFP2.1 70.97,73.65 ; SFP2.1 71.77,71.8 ; SFP2.1 70.18,73.4 ; SFP2.1 69.92,72.6 ; SFP2.1 70.18,71.8 ; SFP2.1 71.77,73.4 ; SFP2.1 70.97,71.55 ; SFP2.1 72.03,72.6 ; 9.32,62.6 10.38,62.6 ; 9.32,62.6 10.12,63.4 ; 9.32,62.6 10.12,61.8 ; 9.32,62.6 9.32,63.65 ; 9.32,62.6 8.27,62.6 ; 9.32,62.6 8.53,61.8 ; 9.32,62.6 9.32,61.55 ; 9.32,62.6 8.53,63.4 ; 84.43,58.4 SFP2.14 ; SFP2.14 86.02,58.4 ; SFP2.14 86.02,56.8 ; SFP2.14 86.28,57.6 ; SFP2.14 85.22,58.65 ; SFP2.14 84.43,56.8 ; SFP2.14 85.22,56.55 ; SFP2.14 84.17,57.6 ; SFP1.5 52.87,71.8 ; SFP1.5 51.02,72.6 ; SFP1.5 52.87,73.4 ; SFP1.5 53.13,72.6 ; SFP1.5 51.28,73.4 ; SFP1.5 52.08,71.55 ; SFP1.5 52.08,73.65 ; SFP1.5 51.28,71.8 ; 87.6,58.4 SFP2.15 ; SFP2.15 89.2,58.4 ; SFP2.15 89.45,57.6 ; SFP2.15 87.35,57.6 ; SFP2.15 87.6,56.8 ; SFP2.15 89.2,56.8 ; SFP2.15 88.4,56.55 ; SFP2.15 88.4,58.65 ; 72.1,13.83 J1.1 ; J1.1 72.1,15.89 ; J1.1 73.13,14.86 ; J1.1 72.88,14.08 ; J1.1 71.32,15.64 ; J1.1 71.32,14.08 ; J1.1 71.07,14.86 ; J1.1 72.88,15.64 ; 51.28,51.8 SFP1.27 ; SFP1.27 52.08,53.65 ; SFP1.27 52.87,53.4 ; SFP1.27 53.13,52.6 ; SFP1.27 51.02,52.6 ; SFP1.27 52.08,51.55 ; SFP1.27 51.28,53.4 ; SFP1.27 52.87,51.8 ; SFP2.4 105.95,73.4 ; SFP2.4 104.1,72.6 ; SFP2.4 105.95,71.8 ; SFP2.4 106.2,72.6 ; SFP2.4 105.15,71.55 ; SFP2.4 104.35,71.8 ; SFP2.4 105.15,73.65 ; SFP2.4 104.35,73.4 ; SFP1.6 58.55,73.4 ; SFP1.6 57.75,73.65 ; SFP1.6 56.95,73.4 ; SFP1.6 58.55,71.8 ; SFP1.6 57.75,71.55 ; SFP1.6 56.95,71.8 ; SFP1.6 58.8,72.6 ; SFP1.6 56.7,72.6 ; SFP1.45 64,36.5 ; SFP1.45 64.76,34.74 ; SFP1.45 64,34.5 ; SFP1.45 63.24,34.74 ; SFP1.45 63,35.5 ; SFP1.45 63.24,36.26 ; SFP1.45 64.76,36.26 ; SFP1.45 65,35.5 ; 121.25,57.6 SFP2.21 ; SFP2.21 123.1,56.8 ; SFP2.21 122.3,56.55 ; SFP2.21 121.5,56.8 ; SFP2.21 121.5,58.4 ; SFP2.21 123.1,58.4 ; SFP2.21 122.3,58.65 ; SFP2.21 123.35,57.6 ; 127.18,36.8 SFP2.46 ; SFP2.46 128.77,36.8 ; SFP2.46 127.18,38.4 ; SFP2.46 127.97,38.65 ; SFP2.46 126.92,37.6 ; SFP2.46 129.03,37.6 ; SFP2.46 128.77,38.4 ; SFP2.46 127.97,36.55 ; 46.4,56.55 SFP1.19 ; SFP1.19 47.2,58.4 ; SFP1.19 47.2,56.8 ; SFP1.19 45.35,57.6 ; SFP1.19 46.4,58.65 ; SFP1.19 45.6,58.4 ; SFP1.19 47.45,57.6 ; SFP1.19 45.6,56.8 ; SFP2.13 80.6,57.6 ; SFP2.13 80.35,56.8 ; SFP2.13 80.35,58.4 ; SFP2.13 78.5,57.6 ; SFP2.13 78.75,58.4 ; SFP2.13 79.55,56.55 ; SFP2.13 79.55,58.65 ; SFP2.13 78.75,56.8 ; SFP1.28 67.08,49.04 ; SFP1.28 67.08,50.56 ; SFP1.28 67.33,49.8 ; SFP1.28 66.33,48.8 ; SFP1.28 65.56,49.04 ; SFP1.28 65.32,49.8 ; SFP1.28 65.56,50.56 ; SFP1.28 66.33,50.8 ; 66.33,56.55 SFP1.22 ; SFP1.22 65.53,58.4 ; SFP1.22 65.27,57.6 ; SFP1.22 67.12,58.4 ; SFP1.22 67.12,56.8 ; SFP1.22 65.53,56.8 ; SFP1.22 66.33,58.65 ; SFP1.22 67.38,57.6 ; 84.43,36.8 SFP2.38 ; SFP2.38 86.02,38.4 ; SFP2.38 85.22,38.65 ; SFP2.38 84.43,38.4 ; SFP2.38 85.22,36.55 ; SFP2.38 84.17,37.6 ; SFP2.38 86.02,36.8 ; SFP2.38 86.28,37.6 ; 9.32,51.55 9.32,52.6 ; 9.32,52.6 9.32,53.65 ; 9.32,52.6 8.27,52.6 ; 9.32,52.6 10.38,52.6 ; 9.32,52.6 8.53,51.8 ; 9.32,52.6 10.12,51.8 ; 9.32,52.6 8.53,53.4 ; 9.32,52.6 10.12,53.4 ; 93,58.4 SFP2.16 ; SFP2.16 93.8,58.65 ; SFP2.16 94.6,56.8 ; SFP2.16 94.85,57.6 ; SFP2.16 92.75,57.6 ; SFP2.16 93,56.8 ; SFP2.16 93.8,56.55 ; SFP2.16 94.6,58.4 ; SFP1.11 52.87,63.4 ; SFP1.11 52.08,61.55 ; SFP1.11 51.28,61.8 ; SFP1.11 51.02,62.6 ; SFP1.11 53.13,62.6 ; SFP1.11 52.08,63.65 ; SFP1.11 52.87,61.8 ; SFP1.11 51.28,63.4 ; SFP1.41 36.26,34.74 ; SFP1.41 34.74,34.74 ; SFP1.41 34.5,35.5 ; SFP1.41 34.74,36.26 ; SFP1.41 36.26,36.26 ; SFP1.41 36.5,35.5 ; SFP1.41 35.5,36.5 ; SFP1.41 35.5,34.5 ; 8.57,44.34 9.32,45.1 ; 9.32,45.1 8.57,45.86 ; 9.32,45.1 10.33,45.1 ; 9.32,45.1 9.32,44.1 ; 9.32,45.1 8.32,45.1 ; 9.32,45.1 9.32,46.1 ; 9.32,45.1 10.09,45.86 ; 9.32,45.1 10.09,44.34 ; 110.4,35.5 SFP2.43 ; SFP2.43 112.16,36.26 ; SFP2.43 110.64,34.74 ; SFP2.43 111.4,36.5 ; SFP2.43 112.16,34.74 ; SFP2.43 110.64,36.26 ; SFP2.43 111.4,34.5 ; SFP2.43 112.4,35.5 ; 75.85,73.4 SFP2.2 ; SFP2.2 76.65,73.65 ; SFP2.2 77.45,73.4 ; SFP2.2 76.65,71.55 ; SFP2.2 75.85,71.8 ; SFP2.2 75.6,72.6 ; SFP2.2 77.7,72.6 ; SFP2.2 77.45,71.8 ; 81.9,35.5 SFP2.37 ; SFP2.37 82.9,34.5 ; SFP2.37 82.14,36.26 ; SFP2.37 83.66,36.26 ; SFP2.37 83.66,34.74 ; SFP2.37 82.14,34.74 ; SFP2.37 82.9,36.5 ; SFP2.37 83.9,35.5 ; 65.27,47.6 SFP1.33 ; SFP1.33 65.53,46.8 ; SFP1.33 67.12,46.8 ; SFP1.33 67.12,48.4 ; SFP1.33 67.38,47.6 ; SFP1.33 66.33,46.55 ; SFP1.33 66.33,48.65 ; SFP1.33 65.53,48.4 ; 70.97,61.55 SFP2.10 ; SFP2.10 71.77,63.4 ; SFP2.10 69.92,62.6 ; SFP2.10 71.77,61.8 ; SFP2.10 70.18,61.8 ; SFP2.10 70.18,63.4 ; SFP2.10 70.97,63.65 ; SFP2.10 72.03,62.6 ; SFP2.34 71.73,40.86 ; SFP2.34 70.22,39.34 ; SFP2.34 70.22,40.86 ; SFP2.34 70.97,39.1 ; SFP2.34 70.97,41.1 ; SFP2.34 71.73,39.34 ; SFP2.34 69.97,40.1 ; SFP2.34 71.98,40.1 ; 51.31,45.86 SFP1.32 ; SFP1.32 53.08,45.1 ; SFP1.32 51.07,45.1 ; SFP1.32 52.84,44.34 ; SFP1.32 51.31,44.34 ; SFP1.32 52.84,45.86 ; SFP1.32 52.08,46.1 ; SFP1.32 52.08,44.1 ; SFP2.8 99.47,68.6 ; SFP2.8 98.72,66.84 ; SFP2.8 100.23,66.84 ; SFP2.8 100.23,68.36 ; SFP2.8 99.47,66.6 ; SFP2.8 98.47,67.6 ; SFP2.8 98.72,68.36 ; SFP2.8 100.48,67.6 ; SFP1.44 59.96,36.26 ; SFP1.44 59.2,34.5 ; SFP1.44 58.44,36.26 ; SFP1.44 58.44,34.74 ; SFP1.44 59.2,36.5 ; SFP1.44 60.2,35.5 ; SFP1.44 58.2,35.5 ; SFP1.44 59.96,34.74 ; 8.32,40.1 9.32,40.1 ; 9.32,40.1 8.57,39.34 ; 9.32,40.1 10.33,40.1 ; 9.32,40.1 9.32,39.1 ; 9.32,40.1 10.09,40.86 ; 9.32,40.1 9.32,41.1 ; 9.32,40.1 10.09,39.34 ; 9.32,40.1 8.57,40.86 ; SFP1.18 41,58.65 ; SFP1.18 40.2,58.4 ; SFP1.18 42.05,57.6 ; SFP1.18 41.8,56.8 ; SFP1.18 39.95,57.6 ; SFP1.18 41,56.55 ; SFP1.18 41.8,58.4 ; SFP1.18 40.2,56.8 ; 29.94,34.74 SFP1.39 ; SFP1.39 31.7,35.5 ; SFP1.39 29.94,36.26 ; SFP1.39 31.46,36.26 ; SFP1.39 29.7,35.5 ; SFP1.39 30.7,34.5 ; SFP1.39 31.46,34.74 ; SFP1.39 30.7,36.5 ; 22.78,68.4 SFP1.7 ; SFP1.7 23.57,68.65 ; SFP1.7 24.37,66.8 ; SFP1.7 23.57,66.55 ; SFP1.7 24.37,68.4 ; SFP1.7 24.63,67.6 ; SFP1.7 22.52,67.6 ; SFP1.7 22.78,66.8 ; SFP2.7 86.28,67.6 ; SFP2.7 86.02,66.8 ; SFP2.7 85.22,68.65 ; SFP2.7 84.43,68.4 ; SFP2.7 86.02,68.4 ; SFP2.7 84.43,66.8 ; SFP2.7 84.17,67.6 ; SFP2.7 85.22,66.55 ; 120.09,36.26 SFP2.44 ; SFP2.44 121.61,34.74 ; SFP2.44 121.85,35.5 ; SFP2.44 120.09,34.74 ; SFP2.44 120.85,34.5 ; SFP2.44 119.85,35.5 ; SFP2.44 121.61,36.26 ; SFP2.44 120.85,36.5 ; SFP1.25 24.34,49.04 ; SFP1.25 22.82,50.56 ; SFP1.25 22.82,49.04 ; SFP1.25 22.57,49.8 ; SFP1.25 24.58,49.8 ; SFP1.25 23.57,48.8 ; SFP1.25 24.34,50.56 ; SFP1.25 23.57,50.8 ; 112.93,53.4 SFP2.27 ; SFP2.27 114.78,52.6 ; SFP2.27 114.52,53.4 ; SFP2.27 112.93,51.8 ; SFP2.27 112.67,52.6 ; SFP2.27 113.72,51.55 ; SFP2.27 113.72,53.65 ; SFP2.27 114.52,51.8 ; SFP1.40 38.59,38.36 ; SFP1.40 37.06,36.84 ; SFP1.40 37.83,36.6 ; SFP1.40 36.82,37.6 ; SFP1.40 37.06,38.36 ; SFP1.40 37.83,38.6 ; SFP2.41 97.15,36.5 ; SFP2.41 97.91,36.26 ; SFP2.41 96.39,34.74 ; SFP2.41 98.15,35.5 ; SFP2.41 97.15,34.5 ; SFP2.41 97.91,34.74 ; SFP2.41 96.39,36.26 ; SFP2.41 96.15,35.5 ; SFP2.28 128.74,49.04 ; SFP2.28 127.22,50.56 ; SFP2.28 127.22,49.04 ; SFP2.28 128.98,49.8 ; SFP2.28 126.97,49.8 ; SFP2.28 127.97,48.8 ; SFP2.28 127.97,50.8 ; SFP2.28 128.74,50.56 ; SFP2.5 114.52,73.4 ; SFP2.5 114.52,71.8 ; SFP2.5 113.72,73.65 ; SFP2.5 113.72,71.55 ; SFP2.5 112.93,71.8 ; SFP2.5 114.78,72.6 ; SFP2.5 112.93,73.4 ; SFP2.5 112.67,72.6 ; 127.18,68.4 SFP2.9 ; SFP2.9 127.97,66.55 ; SFP2.9 128.77,68.4 ; SFP2.9 127.18,66.8 ; SFP2.9 128.77,66.8 ; SFP2.9 126.92,67.6 ; SFP2.9 127.97,68.65 ; SFP2.9 129.03,67.6 ; 101.6,57.6 SFP2.18 ; SFP2.18 103.7,57.6 ; SFP2.18 102.65,58.65 ; SFP2.18 102.65,56.55 ; SFP2.18 101.85,56.8 ; SFP2.18 103.45,58.4 ; SFP2.18 103.45,56.8 ; SFP2.18 101.85,58.4 ; 22.52,57.6 SFP1.14 ; SFP1.14 24.37,58.4 ; SFP1.14 22.78,58.4 ; SFP1.14 24.37,56.8 ; SFP1.14 23.57,56.55 ; SFP1.14 23.57,58.65 ; SFP1.14 22.78,56.8 ; SFP1.14 24.63,57.6 ; SFP2.22 129.03,57.6 ; SFP2.22 127.18,58.4 ; SFP2.22 128.77,56.8 ; SFP2.22 127.97,58.65 ; SFP2.22 128.77,58.4 ; SFP2.22 127.18,56.8 ; SFP2.22 127.97,56.55 ; SFP2.22 126.92,57.6 ; 16.45,34.5 SFP1.36 ; SFP1.36 15.69,36.26 ; SFP1.36 16.45,36.5 ; SFP1.36 17.45,35.5 ; SFP1.36 15.45,35.5 ; SFP1.36 15.69,34.74 ; SFP1.36 17.21,34.74 ; SFP1.36 17.21,36.26 ; SFP2.3 91.95,72.6 ; SFP2.3 91.7,71.8 ; SFP2.3 91.7,73.4 ; SFP2.3 90.9,71.55 ; SFP2.3 89.85,72.6 ; SFP2.3 90.9,73.65 ; SFP2.3 90.1,73.4 ; SFP2.3 90.1,71.8 ; 107.25,56.8 SFP2.19 ; SFP2.19 108.85,56.8 ; SFP2.19 108.85,58.4 ; SFP2.19 108.05,58.65 ; SFP2.19 107,57.6 ; SFP2.19 109.1,57.6 ; SFP2.19 107.25,58.4 ; SFP2.19 108.05,56.55 ; 15,71.55 SFP1.2 ; SFP1.2 14.2,73.4 ; SFP1.2 14.2,71.8 ; SFP1.2 15.8,71.8 ; SFP1.2 15.8,73.4 ; SFP1.2 15,73.65 ; SFP1.2 16.05,72.6 ; SFP1.2 13.95,72.6 ; SFP1.37 21.25,36.5 ; SFP1.37 22.25,35.5 ; SFP1.37 20.25,35.5 ; SFP1.37 22.01,34.74 ; SFP1.37 22.01,36.26 ; SFP1.37 21.25,34.5 ; SFP1.37 20.49,36.26 ; SFP1.37 20.49,34.74 ; SFP1.16 33.2,57.6 ; SFP1.16 31.35,56.8 ; SFP1.16 32.15,58.65 ; SFP1.16 32.15,56.55 ; SFP1.16 32.95,56.8 ; SFP1.16 31.1,57.6 ; SFP1.16 32.95,58.4 ; SFP1.16 31.35,58.4 ; SFP1.3 30.3,72.6 ; SFP1.3 29.25,71.55 ; SFP1.3 30.05,71.8 ; SFP1.3 30.05,73.4 ; SFP1.3 29.25,73.65 ; SFP1.3 28.45,73.4 ; SFP1.3 28.45,71.8 ; SFP1.3 28.2,72.6 ; 70.18,51.8 SFP2.24 ; SFP2.24 71.77,53.4 ; SFP2.24 70.97,51.55 ; SFP2.24 70.18,53.4 ; SFP2.24 69.92,52.6 ; SFP2.24 71.77,51.8 ; SFP2.24 72.03,52.6 ; SFP2.24 70.97,53.65 ; 51.07,40.1 SFP1.35 ; SFP1.35 52.84,39.34 ; SFP1.35 51.31,39.34 ; SFP1.35 52.08,39.1 ; SFP1.35 51.31,40.86 ; SFP1.35 53.08,40.1 ; SFP1.35 52.84,40.86 ; SFP1.35 52.08,41.1 ; SFP2.25 85.98,50.56 ; SFP2.25 84.47,49.04 ; SFP2.25 85.22,50.8 ; SFP2.25 84.22,49.8 ; SFP2.25 84.47,50.56 ; SFP2.25 85.98,49.04 ; SFP2.25 85.22,48.8 ; SFP2.25 86.23,49.8 ; SFP2.23 71.98,49.8 ; SFP2.23 70.97,48.8 ; SFP2.23 71.73,49.04 ; SFP2.23 70.22,50.56 ; SFP2.23 71.73,50.56 ; SFP2.23 69.97,49.8 ; SFP2.23 70.97,50.8 ; SFP2.23 70.22,49.04 ; 9.32,72.6 10.38,72.6 ; 9.32,72.6 8.53,73.4 ; 9.32,72.6 9.32,71.55 ; 9.32,72.6 10.12,73.4 ; 9.32,72.6 8.27,72.6 ; 9.32,72.6 8.53,71.8 ; 9.32,72.6 9.32,73.65 ; 9.32,72.6 10.12,71.8 ; 91.59,34.74 SFP2.39 ; SFP2.39 91.35,35.5 ; SFP2.39 93.11,36.26 ; SFP2.39 91.59,36.26 ; SFP2.39 92.35,34.5 ; SFP2.39 93.11,34.74 ; SFP2.39 93.35,35.5 ; SFP2.39 92.35,36.5 ; SFP2.40 99.47,38.6 ; SFP2.40 99.47,36.6 ; SFP2.40 98.47,37.6 ; SFP2.40 98.72,38.36 ; SFP2.40 98.72,36.84 ; SFP2.40 100.23,38.36 ; SFP1.15 26.75,58.65 ; SFP1.15 27.8,57.6 ; SFP1.15 25.95,56.8 ; SFP1.15 25.95,58.4 ; SFP1.15 27.55,56.8 ; SFP1.15 25.7,57.6 ; SFP1.15 27.55,58.4 ; SFP1.15 26.75,56.55 ; 112.97,45.86 SFP2.32 ; SFP2.32 114.48,45.86 ; SFP2.32 113.72,44.1 ; SFP2.32 113.72,46.1 ; SFP2.32 112.72,45.1 ; SFP2.32 112.97,44.34 ; SFP2.32 114.48,44.34 ; SFP2.32 114.73,45.1